# Altium PCB 尺子V2.0.PcbDoc (part 2 of 2)
Units mil, origin at the board's own origin, x right, y up, seen from the top; angles counter-clockwise.
Board outline 7465.82 x 1585.27 mil, 2 copper layers (Top Layer, Bottom Layer); 22 components, 0 nets, 317 pads, 1 vias.
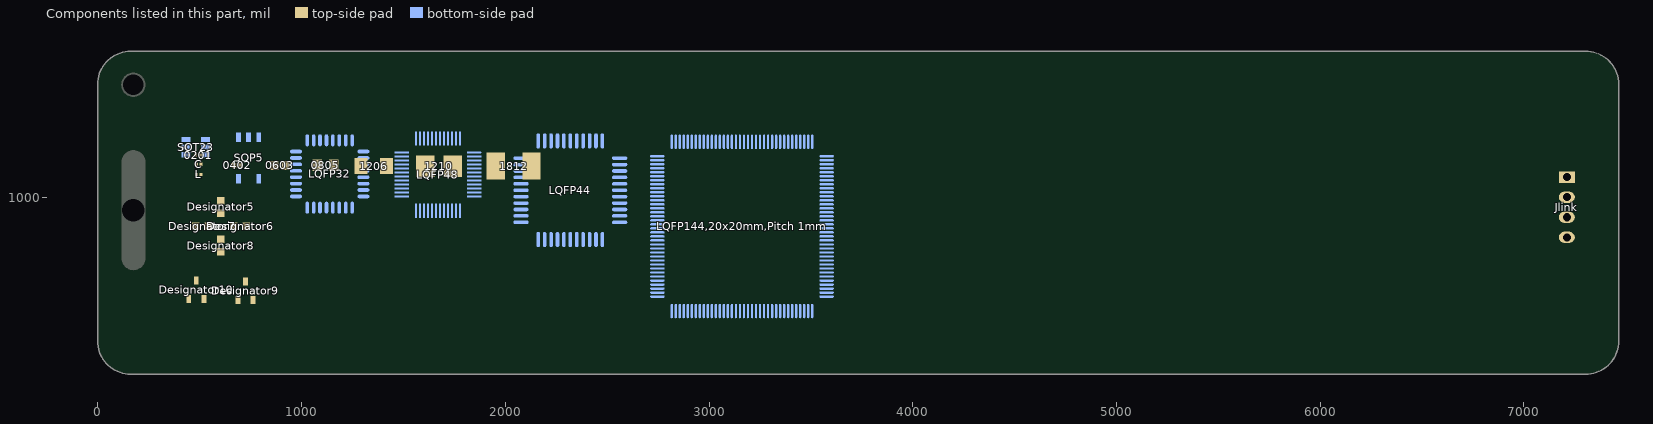
[diagram p2: the components of this part, seen from the top]

## Via types
v1: diameter 60, hole 30, Top Layer to Bottom Layer, 1 vias

## Nets (pads, with @x,y where several pads share a name; then routed paths per layer and width w, separated by ;. In a path a pad name is that pad's centre, name@x,y a point inside that pad or via, vN(x,y) a via of type N, cw(c..) or ccw(c..) an arc to the next point about the centre after c; other vN are vias at no path point) (continued)
copper on no net: | length 197186.6
  Top Layer w7.87: 3482.16,1244.03 3482.16,1327.38 ; 3483.86,1245.5 3483.86,1328.85 ; 3484.12,795.21 3484.12,878.56 ; 3484.13,795.21 3484.13,878.56 ; 3413.04,1125.62 3482.24,1056.42 ; 3413.04,1125.62 3413.04,1129.91 3413.05,1125.62 ; 3413.05,1125.62 3482.25,1056.42 ; 3413.04,1173.07 3483.55,1243.58 3413.05,1173.07 ; 3413.04,1173.07 3413.04,1168.82 3413.05,1173.07 ; 3415,676.8 3484.2,607.6 ; 3415,676.8 3415,681.09 3415.01,676.8 ; 3415.01,676.8 3484.21,607.6 ; 3415,724.25 3485.51,794.76 3415.01,724.25 ; 3415,724.25 3415,720 3415.01,724.25 ; 3482.24,1056.42 3482.24,973.05 3482.25,1056.42 ; 3484.2,607.6 3484.2,524.23 3484.21,607.6 ; 2646.7,990.41 2666.39,1010.09 2646.7,990.41 ; 2654.59,738.44 2674.27,758.12 2654.58,738.44 ; 2678.2,986.47 2697.88,1006.15 2678.19,986.47 ; 2686.09,734.5 2705.77,754.18 2686.08,734.5 ; 3275.24,1148.82 3413.04,1148.82 3275.25,1148.82 ; 3277.2,700 3415,700 3277.21,700
  Top Layer w10: 481.83,860.63 495.13,847.32 ; 539.15,860.63 668.52,860.63 ; 603.83,735.31 617.14,748.62 ; 603.83,795.94 603.83,925.31 ; 729.15,860.63 738.83,850.94 ; 2497.12,706.93 2556.18,706.93 2497.13,706.93 ; 2627.02,1238.44 2674.27,1238.44 ; 2627.03,1238.44 2674.27,1238.44 ; 2699.97,1238.44 2674.27,1238.44 ; 2699.98,1238.44 2674.27,1238.44 ; 3052.22,1273.87 3052.22,1195.13 3036.46,1195.13 ; 3052.23,1273.87 3052.23,1195.13 3036.46,1195.13 ; 3121.22,962.85 3095.52,962.85 3048.28,962.85 3095.53,962.85 3121.23,962.85 ; 4726.72,655.04 5441.85,527.33 ; 4762.91,790.44 5446.22,543.55 ; 4824.09,922.39 5453.41,559.01 ; 4909.09,1043.54 5463.11,572.91 ; 4955.18,1093.74 5468.98,579.33 ; 5014.23,1147.51 5475.25,585.09 ; 5128.38,1226.64 5489.28,594.94 ; 5253.85,1285.43 5504.89,602.21 ; 5396.09,1324.03 5521.56,607.09 ; 5538.87,1336.77 v1@5539.32,509.45 ; 5555.44,606.58 5680.38,1324.88 ; 5571.84,602.18 5824.54,1286.51 ; 5587.31,594.97 5950.76,1227.9 ; 5601.15,585.29 6073.26,1142.38 ; 5607.6,579.39 6128.08,1091.81 ; 5613.08,573.44 6178.91,1035.54 ; 5623.04,559.34 6256.59,923.53 ; 5630.06,544.53 6316.34,796.15 ; 5634.89,526.72 6356.58,643.59 ; 2674.26,962.85 2627.02,962.85 2674.26,962.85 ; 2674.26,962.85 2701.82,962.85 2674.26,962.85 ; 2674.3,706.93 2627.05,706.93 2674.29,706.93 ; 2674.3,706.93 2701.86,706.93 2674.29,706.93 ; 3036.46,1195.13 3036.46,1210.88 3036.46,1195.13 ; 3052.22,923.48 3052.22,1002.22 ; 3052.22,923.48 3038.44,923.49 3052.22,923.48 ; 3052.22,923.48 3052.22,1002.22 ; 3052.22,1002.22 3069.93,1002.23 3052.22,1002.22 ; 3095.53,1234.5 3048.29,1234.5 3095.53,1234.5 ; 3095.53,1234.5 3121.24,1234.5 3095.53,1234.5 ; 3550.84,1150.21 ccw(c3452.41,1150.21) 3550.84,1150.21 ; 3550.85,1150.21 ccw(c3452.42,1150.21) 3550.85,1150.21 ; 3552.8,701.39 ccw(c3454.37,701.39) 3552.8,701.39 ; 3552.81,701.39 ccw(c3454.38,701.39) 3552.81,701.39 ; 2497.1,962.85 2556.15,962.85 2497.09,962.85 ; 2497.11,1238.44 2556.16,1238.44 2497.1,1238.44 ; 2630.96,923.48 2630.96,1002.22 2630.95,923.48 ; 2630.97,1199.07 2630.97,1277.81 2630.96,1199.07 ; 2630.99,667.56 2630.99,746.3 2630.98,667.56 ; 2916.4,706.61 2975.46,706.61 2916.4,706.61 ; 2918.36,962.85 2977.42,962.85 2918.36,962.85 ; 2918.36,1234.5 2977.42,1234.5 2918.36,1234.5 ; 3050.26,667.24 3050.26,745.98 3050.26,667.24 ; 3067.97,665.28 3067.97,745.99 3067.97,665.28 ; 3067.97,706.94 3132.93,706.94 3067.97,706.94 ; 3413.04,1091.16 3413.04,1209.27 3413.05,1091.16 ; 3415,642.34 3415,760.45 3415.01,642.34
  Top Layer w11.81: 118.31,139.31 118.31,414.31 ; 138.31,139.31 138.31,339.31 ; 158.31,139.31 158.31,319.31 158.31,339.31 ; 178.31,139.31 178.31,339.31 ; 198.31,139.31 198.31,339.31 ; 218.31,139.31 218.31,374.31 ; 238.31,139.31 238.31,339.31 ; 258.31,139.31 258.31,339.31 ; 278.31,139.31 278.31,339.31 ; 298.31,139.31 298.31,339.31 ; 318.31,139.31 318.31,374.31 ; 338.31,139.31 338.31,339.31 ; 358.31,139.31 358.31,319.31 358.31,339.31 ; 378.31,139.31 378.31,339.31 ; 398.31,139.31 398.31,339.31 ; 418.31,139.31 418.31,374.31 ; 438.31,139.31 438.31,339.31 ; 458.31,139.31 458.31,339.31 ; 478.31,139.31 478.31,339.31 ; 498.31,139.31 498.31,339.31 ; 518.31,139.31 518.31,374.31 ; 538.31,139.31 538.31,339.31 ; 558.31,139.31 558.31,319.31 558.31,339.31 ; 578.31,139.31 578.31,339.31 ; 598.31,139.31 598.31,339.31 ; 618.31,139.31 618.31,414.31 ; 638.31,139.31 638.31,339.31 ; 658.31,139.31 658.31,339.31 ; 678.31,139.31 678.31,339.31 ; 698.31,139.31 698.31,339.31 ; 718.31,139.31 718.31,374.31 ; 738.31,139.31 738.31,339.31 ; 758.31,139.31 758.31,319.31 758.31,339.31 ; 778.31,139.31 778.31,339.31 ; 798.31,139.31 798.31,339.31 ; 818.31,139.31 818.31,374.31 ; 838.31,139.31 838.31,339.31 ; 858.31,139.31 858.31,339.31 ; 878.31,139.31 878.31,339.31 ; 898.31,139.31 898.31,339.31 ; 918.31,139.31 918.31,374.31 ; 938.31,139.31 938.31,339.31 ; 958.31,139.31 958.31,319.31 958.31,339.31 ; 978.31,139.31 978.31,339.31 ; 998.31,139.31 998.31,339.31 ; 1018.31,139.31 1018.31,374.31 ; 1038.31,139.31 1038.31,339.31 ; 1058.31,139.31 1058.31,339.31 ; 1078.31,139.31 1078.31,339.31 ; 1098.31,139.31 1098.31,339.31 ; 1118.31,139.31 1118.31,414.31 ; 1138.31,139.31 1138.31,339.31 ; 1158.31,139.31 1158.31,319.31 1158.31,339.31 ; 1178.31,139.31 1178.31,339.31 ; 1198.31,139.31 1198.31,339.31 ; 1218.31,139.31 1218.31,374.31 ; 1238.31,139.31 1238.31,339.31 ; 1258.31,139.31 1258.31,339.31 ; 1278.31,139.31 1278.31,339.31 ; 1298.31,139.31 1298.31,339.31 ; 1318.31,139.31 1318.31,374.31 ; 1338.31,139.31 1338.31,339.31 ; 1358.31,139.31 1358.31,319.31 1358.31,339.31 ; 1378.31,139.31 1378.31,339.31 ; 1398.31,139.31 1398.31,339.31 ; 1418.31,139.31 1418.31,374.31 ; 1438.31,139.31 1438.31,339.31 ; 1458.31,139.31 1458.31,339.31 ; 1478.31,139.31 1478.31,339.31 ; 1498.31,139.31 1498.31,339.31 ; 1518.31,139.31 1518.31,374.31 ; 1538.31,139.31 1538.31,339.31 ; 1558.31,139.31 1558.31,319.31 1558.31,339.31 ; 1578.31,139.31 1578.31,339.31 ; 1598.31,139.31 1598.31,339.31 ; 1618.31,139.31 1618.31,414.31 ; 1638.31,139.31 1638.31,339.31 ; 1658.31,139.31 1658.31,339.31 ; 1678.31,139.31 1678.31,339.31 ; 1698.31,139.31 1698.31,339.31 ; 1718.31,139.31 1718.31,374.31 ; 1738.31,139.31 1738.31,339.31 ; 1758.31,139.31 1758.31,319.31 1758.31,339.31 ; 1778.31,139.31 1778.31,339.31 ; 1798.31,139.31 1798.31,339.31 ; 1818.31,139.31 1818.31,374.31 ; 1838.31,139.31 1838.31,339.31 ; 1858.31,139.31 1858.31,339.31 ; 1878.31,139.31 1878.31,339.31 ; 1898.31,139.31 1898.31,339.31 ; 1918.31,139.31 1918.31,374.31 ; 1938.31,139.31 1938.31,339.31 ; 1958.31,139.31 1958.31,319.31 1958.31,339.31 ; 1978.31,139.31 1978.31,339.31 ; 1998.31,139.31 1998.31,339.31 ; 2018.31,139.31 2018.31,374.31 ; 2038.31,139.31 2038.31,339.31 ; 2058.31,139.31 2058.31,339.31 ; 2078.31,139.31 2078.31,339.31 ; 2098.31,139.31 2098.31,339.31 ; 2118.31,139.31 2118.31,414.31 ; 2138.31,139.31 2138.31,339.31 ; 2158.31,139.31 2158.31,319.31 2158.31,339.31 ; 2178.31,139.31 2178.31,339.31 ; 2198.31,139.31 2198.31,339.31 ; 2218.31,139.31 2218.31,374.31 ; 2238.31,139.31 2238.31,339.31 ; 2258.31,139.31 2258.31,339.31 ; 2278.31,139.31 2278.31,339.31 ; 2298.31,139.31 2298.31,339.31 ; 2318.31,139.31 2318.31,374.31 ; 2338.31,139.31 2338.31,339.31 ; 2358.31,139.31 2358.31,319.31 2358.31,339.31 ; 2378.31,139.31 2378.31,339.31 ; 2398.31,139.31 2398.31,339.31 ; 2418.31,139.31 2418.31,374.31 ; 2438.31,139.31 2438.31,339.31 ; 2458.31,139.31 2458.31,339.31 ; 2478.31,139.31 2478.31,339.31 ; 2498.31,139.31 2498.31,339.31 ; 2518.31,139.31 2518.31,374.31 ; 2538.31,139.31 2538.31,339.31 ; 2558.31,139.31 2558.31,319.31 2558.31,339.31 ; 2578.31,139.31 2578.31,339.31 ; 2598.31,139.31 2598.31,339.31 ; 2618.31,139.31 2618.31,414.31 ; 2638.31,139.31 2638.31,339.31 ; 2658.31,139.31 2658.31,339.31 ; 2678.31,139.31 2678.31,339.31 ; 2698.31,139.31 2698.31,339.31 ; 2718.31,139.31 2718.31,374.31 ; 2738.31,139.31 2738.31,339.31 ; 2758.31,139.31 2758.31,319.31 2758.31,339.31 ; 2778.31,139.31 2778.31,339.31 ; 2798.31,139.31 2798.31,339.31 ; 2818.31,139.31 2818.31,374.31 ; 2838.31,139.31 2838.31,339.31 ; 2858.31,139.31 2858.31,339.31 ; 2878.31,139.31 2878.31,339.31 ; 2898.31,139.31 2898.31,339.31 ; 2918.31,139.31 2918.31,374.31 ; 2938.31,139.31 2938.31,339.31 ; 2958.31,139.31 2958.31,319.31 2958.31,339.31 ; 2978.31,139.31 2978.31,339.31 ; 2998.31,139.31 2998.31,339.31 ; 3018.31,139.31 3018.31,374.31 ; 3038.31,139.31 3038.31,339.31 ; 3058.31,139.31 3058.31,339.31 ; 3078.31,139.31 3078.31,339.31 ; 3098.31,139.31 3098.31,339.31 ; 3118.31,139.31 3118.31,414.31 ; 3138.31,139.31 3138.31,339.31 ; 3158.31,139.31 3158.31,319.31 3158.31,339.31 ; 3178.31,139.31 3178.31,339.31 ; 3198.31,139.31 3198.31,339.31 ; 3218.31,139.31 3218.31,374.31 ; 3238.31,139.31 3238.31,339.31 ; 3258.31,139.31 3258.31,339.31 ; 3278.31,139.31 3278.31,339.31 ; 3298.31,139.31 3298.31,339.31 ; 3318.31,139.31 3318.31,374.31 ; 3338.31,139.31 3338.31,339.31 ; 3358.31,139.31 3358.31,319.31 3358.31,339.31 ; 3378.31,139.31 3378.31,339.31 ; 3398.31,139.31 3398.31,339.31 ; 3418.31,139.31 3418.31,374.31 ; 3438.31,139.31 3438.31,339.31 ; 3458.31,139.31 3458.31,339.31 ; 3478.31,139.31 3478.31,339.31 ; 3498.31,139.31 3498.31,339.31 ; 3518.31,139.31 3518.31,374.31 ; 3538.31,139.31 3538.31,339.31 ; 3558.31,139.31 3558.31,319.31 3558.31,339.31 ; 3578.31,139.31 3578.31,339.31 ; 3598.31,139.31 3598.31,339.31 ; 3618.31,139.31 3618.31,414.31 ; 3638.31,139.31 3638.31,339.31 ; 3658.31,139.31 3658.31,339.31 ; 3678.31,139.31 3678.31,339.31 ; 3698.31,139.31 3698.31,339.31 ; 3718.31,139.31 3718.31,374.31 ; 3738.31,139.31 3738.31,339.31 ; 3758.31,139.31 3758.31,319.31 3758.31,339.31 ; 3778.31,139.31 3778.31,339.31 ; 3798.31,139.31 3798.31,339.31 ; 3818.31,139.31 3818.31,374.31 ; 3838.31,139.31 3838.31,339.31 ; 3858.31,139.31 3858.31,339.31 ; 3878.31,139.31 3878.31,339.31 ; 3898.31,139.31 3898.31,339.31 ; 3918.31,139.31 3918.31,374.31 ; 3938.31,139.31 3938.31,339.31 ; 3958.31,139.31 3958.31,319.31 3958.31,339.31 ; 3978.31,139.31 3978.31,339.31 ; 3998.31,139.31 3998.31,339.31 ; 4018.31,139.31 4018.31,374.31 ; 4038.31,139.31 4038.31,339.31 ; 4058.31,139.31 4058.31,339.31 ; 4078.31,139.31 4078.31,339.31 ; 4098.31,139.31 4098.31,339.31 ; 4118.31,139.31 4118.31,414.31 ; 4138.31,139.31 4138.31,339.31 ; 4158.31,139.31 4158.31,319.31 4158.31,339.31 ; 4178.31,139.31 4178.31,339.31 ; 4198.31,139.31 4198.31,339.31 ; 4218.31,139.31 4218.31,374.31 ; 4238.31,139.31 4238.31,339.31 ; 4258.31,139.31 4258.31,339.31 ; 4278.31,139.31 4278.31,339.31 ; 4298.31,139.31 4298.31,339.31 ; 4318.31,139.31 4318.31,374.31 ; 4338.31,139.31 4338.31,339.31 ; 4358.31,139.31 4358.31,319.31 4358.31,339.31 ; 4378.31,139.31 4378.31,339.31 ; 4398.31,139.31 4398.31,339.31 ; 4418.31,139.31 4418.31,374.31 ; 4438.31,139.31 4438.31,339.31 ; 4458.31,139.31 4458.31,339.31 ; 4478.31,139.31 4478.31,339.31 ; 4498.31,139.31 4498.31,339.31 ; 4518.31,139.31 4518.31,374.31 ; 4538.31,139.31 4538.31,339.31 ; 4558.31,139.31 4558.31,319.31 4558.31,339.31 ; 4578.31,139.31 4578.31,339.31 ; 4598.31,139.31 4598.31,339.31 ; 4618.31,139.31 4618.31,414.31 ; 4638.31,139.31 4638.31,339.31 ; 4658.31,139.31 4658.31,319.31 4658.31,339.31 ; 4678.31,139.31 4678.31,339.31 ; 4698.31,139.31 4698.31,339.31 ; 4718.31,139.31 4718.31,374.31 ; 4738.31,139.31 4738.31,339.31 ; 4758.31,139.31 4758.31,339.31 ; 4778.31,139.31 4778.31,339.31 ; 4798.31,139.31 4798.31,339.31 ; 4818.31,139.31 4818.31,374.31 ; 4838.31,139.31 4838.31,339.31 ; 4858.31,139.31 4858.31,319.31 4858.31,339.31 ; 4878.31,139.31 4878.31,339.31 ; 4898.31,139.31 4898.31,339.31 ; 4918.31,139.31 4918.31,374.31 ; 4938.31,139.31 4938.31,339.31 ; 4958.31,139.31 4958.31,339.31 ; 4978.31,139.31 4978.31,339.31 ; 4998.31,139.31 4998.31,339.31 ; 5018.31,139.31 5018.31,374.31 ; 5038.31,139.31 5038.31,339.31 ; 5058.31,139.31 5058.31,319.31 5058.31,339.31 ; 5078.31,139.31 5078.31,339.31 ; 5098.31,139.31 5098.31,339.31 ; 5118.31,139.31 5118.31,414.31 ; 5138.31,139.31 5138.31,339.31 ; 5158.31,139.31 5158.31,339.31 ; 5178.31,139.31 5178.31,339.31 ; 5198.31,139.31 5198.31,339.31 ; 5218.31,139.31 5218.31,374.31 ; 5238.31,139.31 5238.31,339.31 ; 5258.31,139.31 5258.31,319.31 5258.31,339.31 ; 5278.31,139.31 5278.31,339.31 ; 5298.31,139.31 5298.31,339.31 ; 5318.31,139.31 5318.31,374.31 ; 5338.31,139.31 5338.31,339.31 ; 5358.31,139.31 5358.31,339.31 ; 5378.31,139.31 5378.31,339.31 ; 5398.31,139.31 5398.31,339.31 ; 5418.31,139.31 5418.31,374.31 ; 5438.31,139.31 5438.31,339.31 ; 5440.33,510.1 cw(c5538.32,510.1) 5636.31,510.1 ; 5458.31,139.31 5458.31,319.31 5458.31,339.31 ; 5478.31,139.31 5478.31,339.31 ; 5498.31,139.31 5498.31,339.31 ; 5518.31,139.31 5518.31,374.31 ; 5538.31,139.31 5538.31,339.31 ; 5558.31,139.31 5558.31,339.31 ; 5578.31,139.31 5578.31,339.31 ; 5598.31,139.31 5598.31,339.31 ; 5618.31,139.31 5618.31,414.31 ; 5638.31,139.31 5638.31,339.31 ; 5658.31,139.31 5658.31,319.31 5658.31,339.31 ; 5678.31,139.31 5678.31,339.31 ; 5698.31,139.31 5698.31,339.31 ; 5718.31,139.31 5718.31,374.31 ; 5738.31,139.31 5738.31,339.31 ; 5758.31,139.31 5758.31,339.31 ; 5778.31,139.31 5778.31,339.31 ; 5798.31,139.31 5798.31,339.31 ; 5818.31,139.31 5818.31,374.31 ; 5838.31,139.31 5838.31,339.31 ; 5858.31,139.31 5858.31,319.31 5858.31,339.31 ; 5878.31,139.31 5878.31,339.31 ; 5898.31,139.31 5898.31,339.31 ; 5918.31,139.31 5918.31,374.31 ; 5938.31,139.31 5938.31,339.31 ; 5958.31,139.31 5958.31,339.31 ; 5978.31,139.31 5978.31,339.31 ; 5998.31,139.31 5998.31,339.31 ; 6018.31,139.31 6018.31,374.31 ; 6038.31,139.31 6038.31,339.31 ; 6058.31,139.31 6058.31,319.31 6058.31,339.31 ; 6078.31,139.31 6078.31,339.31 ; 6098.31,139.31 6098.31,339.31 ; 6118.31,139.31 6118.31,414.31 ; 6138.31,139.31 6138.31,339.31 ; 6158.31,139.31 6158.31,319.31 6158.31,339.31 ; 6178.31,139.31 6178.31,339.31 ; 6198.31,139.31 6198.31,339.31 ; 6218.31,139.31 6218.31,374.31 ; 6238.31,139.31 6238.31,339.31 ; 6258.31,139.31 6258.31,339.31 ; 6278.31,139.31 6278.31,339.31 ; 6298.31,139.31 6298.31,339.31 ; 6318.31,139.31 6318.31,374.31 ; 6338.31,139.31 6338.31,339.31 ; 6358.31,139.31 6358.31,319.31 6358.31,339.31 ; 6378.31,139.31 6378.31,339.31 ; 6398.31,139.31 6398.31,339.31 ; 6418.31,139.31 6418.31,374.31 ; 6438.31,139.31 6438.31,339.31 ; 6458.31,139.31 6458.31,339.31 ; 6478.31,139.31 6478.31,339.31 ; 6498.31,139.31 6498.31,339.31 ; 6518.31,139.31 6518.31,374.31 ; 6538.31,139.31 6538.31,339.31 ; 6558.31,139.31 6558.31,319.31 6558.31,339.31 ; 6578.31,139.31 6578.31,339.31 ; 6598.31,139.31 6598.31,339.31 ; 6618.31,139.31 6618.31,414.31 ; 6638.31,139.31 6638.31,339.31 ; 6658.31,139.31 6658.31,339.31 ; 6678.31,139.31 6678.31,339.31 ; 6698.31,139.31 6698.31,339.31 ; 6718.31,139.31 6718.31,374.31 ; 6738.31,139.31 6738.31,339.31 ; 6758.31,139.31 6758.31,319.31 6758.31,339.31 ; 6778.31,139.31 6778.31,339.31 ; 6798.31,139.31 6798.31,339.31 ; 6818.31,139.31 6818.31,374.31 ; 6838.31,139.31 6838.31,339.31 ; 6858.31,139.31 6858.31,339.31 ; 6878.31,139.31 6878.31,339.31 ; 6898.31,139.31 6898.31,339.31 ; 6918.31,139.31 6918.31,374.31 ; 6938.31,139.31 6938.31,339.31 ; 6958.31,139.31 6958.31,319.31 6958.31,339.31 ; 6978.31,139.31 6978.31,339.31 ; 6998.31,139.31 6998.31,339.31 ; 7018.31,139.31 7018.31,374.31 ; 7038.31,139.31 7038.31,339.31 ; 7058.31,139.31 7058.31,339.31 ; 7078.31,139.31 7078.31,339.31 ; 7098.31,139.31 7098.31,339.31 ; 7118.31,139.31 7118.31,414.31 ; 7138.31,139.31 7138.31,339.31 ; 7158.31,139.31 7158.31,319.31 7158.31,339.31 ; 7178.31,139.31 7178.31,339.31 ; 7198.31,139.31 7198.31,339.31 ; 7218.31,139.31 7218.31,374.31 ; 7238.31,139.31 7238.31,339.31 ; 7258.31,139.31 7258.31,339.31 ; 7278.31,139.31 7278.31,339.31 ; 7298.31,139.31 7298.31,339.31 ; 7318.31,139.31 7318.31,374.31 ; 4713.9,510 cw(c5540.67,510) 6367.44,510 4713.9,510
  Top Layer w13.78: 178.31,1437.99 178.31,1713.58 ; 217.68,1516.73 217.68,1713.58 ; 257.05,1516.73 257.05,1713.58 ; 296.42,1516.73 296.42,1713.58 ; 335.79,1516.73 335.79,1713.58 ; 375.16,1477.36 375.16,1713.58 ; 414.53,1516.73 414.53,1713.58 ; 453.9,1516.73 453.9,1713.58 ; 493.27,1516.73 493.27,1713.58 ; 532.64,1516.73 532.64,1713.58 ; 572.01,1437.99 572.01,1713.58 ; 611.38,1516.73 611.38,1713.58 ; 650.75,1516.73 650.75,1713.58 ; 690.12,1516.73 690.12,1713.58 ; 729.49,1516.73 729.49,1713.58 ; 768.86,1477.36 768.86,1713.58 ; 808.23,1516.73 808.23,1713.58 ; 847.6,1516.73 847.6,1713.58 ; 886.97,1516.73 886.97,1713.58 ; 926.34,1516.73 926.34,1713.58 ; 965.71,1437.99 965.71,1713.58 ; 1005.08,1516.73 1005.08,1713.58 ; 1044.45,1516.73 1044.45,1713.58 ; 1083.82,1516.73 1083.82,1713.58 ; 1123.19,1516.73 1123.19,1713.58 ; 1162.56,1477.36 1162.56,1713.58 ; 1201.93,1516.73 1201.93,1713.58 ; 1241.3,1516.73 1241.3,1713.58 ; 1280.67,1516.73 1280.67,1713.58 ; 1320.04,1516.73 1320.04,1713.58 ; 1359.41,1437.99 1359.41,1713.58 ; 1398.78,1516.73 1398.78,1713.58 ; 1438.15,1516.73 1438.15,1713.58 ; 1477.52,1516.73 1477.52,1713.58 ; 1516.89,1516.73 1516.89,1713.58 ; 1556.26,1477.36 1556.26,1713.58 ; 1595.63,1516.73 1595.63,1713.58 ; 1635,1516.73 1635,1713.58 ; 1674.37,1516.73 1674.37,1713.58 ; 1713.74,1516.73 1713.74,1713.58 ; 1753.11,1437.99 1753.11,1713.58 ; 1792.48,1516.73 1792.48,1713.58 ; 1831.85,1516.73 1831.85,1713.58 ; 1871.22,1516.73 1871.22,1713.58 ; 1910.59,1516.73 1910.59,1713.58 ; 1949.96,1477.36 1949.96,1713.58 ; 1989.33,1516.73 1989.33,1713.58 ; 2028.7,1516.73 2028.7,1713.58 ; 2068.07,1516.73 2068.07,1713.58 ; 2107.44,1516.73 2107.44,1713.58 ; 2146.81,1437.99 2146.81,1713.58 ; 2186.18,1516.73 2186.18,1713.58 ; 2225.55,1516.73 2225.55,1713.58 ; 2264.92,1516.73 2264.92,1713.58 ; 2304.29,1516.73 2304.29,1713.58 ; 2343.66,1477.36 2343.66,1713.58 ; 2383.03,1516.73 2383.03,1713.58 ; 2422.4,1516.73 2422.4,1713.58 ; 2461.77,1516.73 2461.77,1713.58 ; 2501.14,1516.73 2501.14,1713.58 ; 2540.51,1437.99 2540.51,1713.58 ; 2579.88,1516.73 2579.88,1713.58 ; 2619.25,1516.73 2619.25,1713.58 ; 2658.62,1516.73 2658.62,1713.58 ; 2697.99,1516.73 2697.99,1713.58 ; 2737.36,1477.36 2737.36,1713.58 ; 2776.73,1516.73 2776.73,1713.58 ; 2816.1,1516.73 2816.1,1713.58 ; 2855.47,1516.73 2855.47,1713.58 ; 2894.84,1516.73 2894.84,1713.58 ; 2934.21,1437.99 2934.21,1713.58 ; 2973.58,1516.73 2973.58,1713.58 ; 3012.95,1516.73 3012.95,1713.58 ; 3052.32,1516.73 3052.32,1713.58 ; 3091.69,1516.73 3091.69,1713.58 ; 3131.06,1477.36 3131.06,1713.58 ; 3170.43,1516.73 3170.43,1713.58 ; 3209.8,1516.73 3209.8,1713.58 ; 3249.17,1516.73 3249.17,1713.58 ; 3288.54,1516.73 3288.54,1713.58 ; 3327.91,1437.99 3327.91,1713.58 ; 3367.28,1516.73 3367.28,1713.58 ; 3406.65,1516.73 3406.65,1713.58 ; 3446.02,1516.73 3446.02,1713.58 ; 3485.39,1516.73 3485.39,1713.58 ; 3524.76,1477.36 3524.76,1713.58 ; 3564.13,1516.73 3564.13,1713.58 ; 3603.5,1516.73 3603.5,1713.58 ; 3642.87,1516.73 3642.87,1713.58 ; 3682.24,1516.73 3682.24,1713.58 ; 3721.61,1437.99 3721.61,1713.58 ; 3760.98,1516.73 3760.98,1713.58 ; 3800.36,1516.73 3800.36,1713.58 ; 3839.72,1516.73 3839.72,1713.58 ; 3879.09,1516.73 3879.09,1713.58 ; 3918.47,1477.36 3918.47,1713.58 ; 3957.84,1516.73 3957.84,1713.58 ; 3997.2,1516.73 3997.2,1713.58 ; 4036.57,1516.73 4036.57,1713.58 ; 4075.95,1516.73 4075.95,1713.58 ; 4115.31,1437.99 4115.31,1713.58 ; 4154.69,1516.73 4154.69,1713.58 ; 4194.06,1516.73 4194.06,1713.58 ; 4233.43,1516.73 4233.43,1713.58 ; 4272.8,1516.73 4272.8,1713.58 ; 4312.17,1477.36 4312.17,1713.58 ; 4351.54,1516.73 4351.54,1713.58 ; 4390.91,1516.73 4390.91,1713.58 ; 4430.28,1516.73 4430.28,1713.58 ; 4469.65,1516.73 4469.65,1713.58 ; 4509.02,1437.99 4509.02,1713.58 ; 4548.39,1516.73 4548.39,1713.58 ; 4587.76,1516.73 4587.76,1713.58 ; 4627.13,1516.73 4627.13,1713.58 ; 4666.5,1516.73 4666.5,1713.58 ; 4705.87,1477.36 4705.87,1713.58 ; 4745.24,1516.73 4745.24,1713.58 ; 4784.61,1516.73 4784.61,1713.58 ; 4823.98,1516.73 4823.98,1713.58 ; 4863.35,1516.73 4863.35,1713.58 ; 4902.72,1437.99 4902.72,1713.58 ; 4942.09,1516.73 4942.09,1713.58 ; 4981.46,1516.73 4981.46,1713.58 ; 5020.83,1516.73 5020.83,1713.58 ; 5060.2,1516.73 5060.2,1713.58 ; 5099.57,1477.36 5099.57,1713.58 ; 5138.94,1516.73 5138.94,1713.58 ; 5178.31,1516.73 5178.31,1713.58 ; 5217.68,1516.73 5217.68,1713.58 ; 5257.05,1516.73 5257.05,1713.58 ; 5296.42,1437.99 5296.42,1713.58 ; 5335.79,1516.73 5335.79,1713.58 ; 5375.16,1516.73 5375.16,1713.58 ; 5414.53,1516.73 5414.53,1713.58 ; 5453.9,1516.73 5453.9,1713.58 ; 5493.27,1477.36 5493.27,1713.58 ; 5532.64,1516.73 5532.64,1713.58 ; 5572.01,1516.73 5572.01,1713.58 ; 5611.38,1516.73 5611.38,1713.58 ; 5650.75,1516.73 5650.75,1713.58 ; 5690.12,1437.99 5690.12,1713.58 ; 5729.49,1516.73 5729.49,1713.58 ; 5768.86,1516.73 5768.86,1713.58 ; 5808.23,1516.73 5808.23,1713.58 ; 5847.6,1516.73 5847.6,1713.58 ; 5886.97,1477.36 5886.97,1713.58 ; 5926.34,1516.73 5926.34,1713.58 ; 5965.71,1516.73 5965.71,1713.58 ; 6005.08,1516.73 6005.08,1713.58 ; 6044.45,1516.73 6044.45,1713.58 ; 6083.82,1437.99 6083.82,1713.58 ; 6123.19,1516.73 6123.19,1713.58 ; 6162.56,1516.73 6162.56,1713.58 ; 6201.93,1516.73 6201.93,1713.58 ; 6241.3,1516.73 6241.3,1713.58 ; 6280.67,1477.36 6280.67,1713.58 ; 6320.04,1516.73 6320.04,1713.58 ; 6359.41,1516.73 6359.41,1713.58 ; 6398.78,1516.73 6398.78,1713.58 ; 6438.15,1516.73 6438.15,1713.58 ; 6477.52,1437.99 6477.52,1713.58 ; 6518.66,1513.15 6518.66,1710 ; 6556.26,1516.73 6556.26,1713.58 ; 6595.63,1516.73 6595.63,1713.58 ; 6635,1516.73 6635,1713.58 ; 6674.37,1477.36 6674.37,1713.58 ; 6713.74,1516.73 6713.74,1713.58 ; 6753.11,1516.73 6753.11,1713.58 ; 6792.48,1516.73 6792.48,1713.58 ; 6831.85,1516.73 6831.85,1713.58 ; 6871.22,1437.99 6871.22,1713.58 ; 6910.59,1516.73 6910.59,1713.58 ; 6949.96,1516.73 6949.96,1713.58 ; 6989.33,1516.73 6989.33,1713.58 ; 7028.7,1516.73 7028.7,1713.58 ; 7068.07,1477.36 7068.07,1713.58 ; 7107.44,1516.73 7107.44,1713.58 ; 7146.81,1516.73 7146.81,1713.58 ; 7186.18,1516.73 7186.18,1713.58 ; 7225.55,1516.73 7225.55,1713.58 ; 7264.92,1437.99 7264.92,1713.58
  Bottom Layer w10: 4726.51,655.59 5441.65,527.88 ; 4762.7,790.99 5446.01,544.1 ; 4823.88,922.94 5453.2,559.56 ; 4908.88,1044.09 5462.9,573.47 ; 4954.97,1094.29 5468.77,579.89 ; 5014.02,1148.06 5475.04,585.64 ; 5128.17,1227.19 5489.07,595.49 ; 5253.65,1285.98 5504.68,602.76 ; 5395.88,1324.59 5521.05,607.14 ; 5440.12,510.65 cw(c5538.11,510.65) 5636.1,510.65 ; 5538.66,1337.32 v1@5539.32,509.45 ; 5555.23,607.13 5680.17,1325.43 ; 5571.63,602.73 5824.33,1287.06 ; 5587.1,595.52 5950.55,1228.45 ; 5600.94,585.85 6073.05,1142.93 ; 5607.4,579.94 6127.87,1092.36 ; 5612.87,574 6178.7,1036.1 ; 5622.83,559.89 6256.38,924.08 ; 5629.85,545.08 6316.13,796.7 ; 5634.68,527.27 6356.37,644.14
  Bottom Layer w11.81: 4713.69,510.55 cw(c5540.46,510.55) 6367.23,510.55 4713.69,510.55
  Bottom Layer w13.78: 180,1439.09 180,1714.68 ; 219.37,1517.83 219.37,1714.68 ; 258.74,1517.83 258.74,1714.68 ; 298.11,1517.83 298.11,1714.68 ; 337.48,1517.83 337.48,1714.68 ; 376.85,1478.46 376.85,1714.68 ; 416.22,1517.83 416.22,1714.68 ; 455.59,1517.83 455.59,1714.68 ; 494.96,1517.83 494.96,1714.68 ; 534.33,1517.83 534.33,1714.68 ; 573.7,1439.09 573.7,1714.68 ; 613.07,1517.83 613.07,1714.68 ; 652.44,1517.83 652.44,1714.68 ; 691.81,1517.83 691.81,1714.68 ; 731.18,1517.83 731.18,1714.68 ; 770.55,1478.46 770.55,1714.68 ; 809.92,1517.83 809.92,1714.68 ; 849.29,1517.83 849.29,1714.68 ; 888.66,1517.83 888.66,1714.68 ; 928.03,1517.83 928.03,1714.68 ; 967.4,1439.09 967.4,1714.68 ; 1006.77,1517.83 1006.77,1714.68 ; 1046.14,1517.83 1046.14,1714.68 ; 1085.51,1517.83 1085.51,1714.68 ; 1124.88,1517.83 1124.88,1714.68 ; 1164.25,1478.46 1164.25,1714.68 ; 1203.62,1517.83 1203.62,1714.68 ; 1242.99,1517.83 1242.99,1714.68 ; 1282.36,1517.83 1282.36,1714.68 ; 1321.73,1517.83 1321.73,1714.68 ; 1361.1,1439.09 1361.1,1714.68 ; 1400.47,1517.83 1400.47,1714.68 ; 1439.84,1517.83 1439.84,1714.68 ; 1479.21,1517.83 1479.21,1714.68 ; 1518.58,1517.83 1518.58,1714.68 ; 1557.95,1478.46 1557.95,1714.68 ; 1597.32,1517.83 1597.32,1714.68 ; 1636.69,1517.83 1636.69,1714.68 ; 1676.06,1517.83 1676.06,1714.68 ; 1715.43,1517.83 1715.43,1714.68 ; 1754.8,1439.09 1754.8,1714.68 ; 1794.17,1517.83 1794.17,1714.68 ; 1833.55,1517.83 1833.55,1714.68 ; 1872.91,1517.83 1872.91,1714.68 ; 1912.29,1517.83 1912.29,1714.68 ; 1951.65,1478.46 1951.65,1714.68 ; 1991.03,1517.83 1991.03,1714.68 ; 2030.39,1517.83 2030.39,1714.68 ; 2069.76,1517.83 2069.76,1714.68 ; 2109.14,1517.83 2109.14,1714.68 ; 2148.51,1439.09 2148.51,1714.68 ; 2187.88,1517.83 2187.88,1714.68 ; 2227.25,1517.83 2227.25,1714.68 ; 2266.62,1517.83 2266.62,1714.68 ; 2305.99,1517.83 2305.99,1714.68 ; 2345.36,1478.46 2345.36,1714.68 ; 2384.73,1517.83 2384.73,1714.68 ; 2424.1,1517.83 2424.1,1714.68 ; 2463.47,1517.83 2463.47,1714.68 ; 2502.84,1517.83 2502.84,1714.68 ; 2542.21,1439.09 2542.21,1714.68 ; 2581.57,1517.83 2581.57,1714.68 ; 2620.95,1517.83 2620.95,1714.68 ; 2660.32,1517.83 2660.32,1714.68 ; 2699.69,1517.83 2699.69,1714.68 ; 2739.06,1478.46 2739.06,1714.68 ; 2778.43,1517.83 2778.43,1714.68 ; 2817.8,1517.83 2817.8,1714.68 ; 2857.17,1517.83 2857.17,1714.68 ; 2896.54,1517.83 2896.54,1714.68 ; 2935.91,1439.09 2935.91,1714.68 ; 2975.28,1517.83 2975.28,1714.68 ; 3014.65,1517.83 3014.65,1714.68 ; 3054.02,1517.83 3054.02,1714.68 ; 3093.39,1517.83 3093.39,1714.68 ; 3132.76,1478.46 3132.76,1714.68 ; 3172.13,1517.83 3172.13,1714.68 ; 3211.5,1517.83 3211.5,1714.68 ; 3250.87,1517.83 3250.87,1714.68 ; 3290.24,1517.83 3290.24,1714.68 ; 3329.61,1439.09 3329.61,1714.68 ; 3368.98,1517.83 3368.98,1714.68 ; 3408.35,1517.83 3408.35,1714.68 ; 3447.72,1517.83 3447.72,1714.68 ; 3487.09,1517.83 3487.09,1714.68 ; 3526.46,1478.46 3526.46,1714.68 ; 3565.83,1517.83 3565.83,1714.68 ; 3605.2,1517.83 3605.2,1714.68 ; 3644.57,1517.83 3644.57,1714.68 ; 3683.94,1517.83 3683.94,1714.68 ; 3723.31,1439.09 3723.31,1714.68 ; 3762.68,1517.83 3762.68,1714.68 ; 3802.05,1517.83 3802.05,1714.68 ; 3841.42,1517.83 3841.42,1714.68 ; 3880.79,1517.83 3880.79,1714.68 ; 3920.16,1478.46 3920.16,1714.68 ; 3959.53,1517.83 3959.53,1714.68 ; 3998.9,1517.83 3998.9,1714.68 ; 4038.27,1517.83 4038.27,1714.68 ; 4077.64,1517.83 4077.64,1714.68 ; 4117.01,1439.09 4117.01,1714.68 ; 4156.38,1517.83 4156.38,1714.68 ; 4195.75,1517.83 4195.75,1714.68 ; 4235.12,1517.83 4235.12,1714.68 ; 4274.49,1517.83 4274.49,1714.68 ; 4313.86,1478.46 4313.86,1714.68 ; 4353.23,1517.83 4353.23,1714.68 ; 4392.6,1517.83 4392.6,1714.68 ; 4431.97,1517.83 4431.97,1714.68 ; 4471.34,1517.83 4471.34,1714.68 ; 4510.71,1439.09 4510.71,1714.68 ; 4550.08,1517.83 4550.08,1714.68 ; 4589.45,1517.83 4589.45,1714.68 ; 4628.82,1517.83 4628.82,1714.68 ; 4668.19,1517.83 4668.19,1714.68 ; 4707.56,1478.46 4707.56,1714.68 ; 4746.93,1517.83 4746.93,1714.68 ; 4786.3,1517.83 4786.3,1714.68 ; 4825.67,1517.83 4825.67,1714.68 ; 4865.04,1517.83 4865.04,1714.68 ; 4904.41,1439.09 4904.41,1714.68 ; 4943.78,1517.83 4943.78,1714.68 ; 4983.15,1517.83 4983.15,1714.68 ; 5022.52,1517.83 5022.52,1714.68 ; 5061.89,1517.83 5061.89,1714.68 ; 5101.26,1478.46 5101.26,1714.68 ; 5140.63,1517.83 5140.63,1714.68 ; 5180,1517.83 5180,1714.68 ; 5219.37,1517.83 5219.37,1714.68 ; 5258.74,1517.83 5258.74,1714.68 ; 5298.11,1439.09 5298.11,1714.68 ; 5337.48,1517.83 5337.48,1714.68 ; 5376.85,1517.83 5376.85,1714.68 ; 5416.22,1517.83 5416.22,1714.68 ; 5455.59,1517.83 5455.59,1714.68 ; 5494.96,1478.46 5494.96,1714.68 ; 5534.33,1517.83 5534.33,1714.68 ; 5573.7,1517.83 5573.7,1714.68 ; 5613.07,1517.83 5613.07,1714.68 ; 5652.44,1517.83 5652.44,1714.68 ; 5691.81,1439.09 5691.81,1714.68 ; 5731.18,1517.83 5731.18,1714.68 ; 5770.55,1517.83 5770.55,1714.68 ; 5809.92,1517.83 5809.92,1714.68 ; 5849.29,1517.83 5849.29,1714.68 ; 5888.66,1478.46 5888.66,1714.68 ; 5928.03,1517.83 5928.03,1714.68 ; 5967.4,1517.83 5967.4,1714.68 ; 6006.77,1517.83 6006.77,1714.68 ; 6046.14,1517.83 6046.14,1714.68 ; 6085.51,1439.09 6085.51,1714.68 ; 6124.88,1517.83 6124.88,1714.68 ; 6164.25,1517.83 6164.25,1714.68 ; 6203.62,1517.83 6203.62,1714.68 ; 6242.99,1517.83 6242.99,1714.68 ; 6282.36,1478.46 6282.36,1714.68 ; 6321.73,1517.83 6321.73,1714.68 ; 6361.1,1517.83 6361.1,1714.68 ; 6400.47,1517.83 6400.47,1714.68 ; 6439.84,1517.83 6439.84,1714.68 ; 6479.21,1439.09 6479.21,1714.68 ; 6520.35,1514.25 6520.35,1711.1 ; 6557.95,1517.83 6557.95,1714.68 ; 6597.32,1517.83 6597.32,1714.68 ; 6636.69,1517.83 6636.69,1714.68 ; 6676.06,1478.46 6676.06,1714.68 ; 6715.44,1517.83 6715.44,1714.68 ; 6754.81,1517.83 6754.81,1714.68 ; 6794.18,1517.83 6794.18,1714.68 ; 6833.55,1517.83 6833.55,1714.68 ; 6872.91,1439.09 6872.91,1714.68 ; 6912.28,1517.83 6912.28,1714.68 ; 6951.65,1517.83 6951.65,1714.68 ; 6991.02,1517.83 6991.02,1714.68 ; 7030.4,1517.83 7030.4,1714.68 ; 7069.77,1478.46 7069.77,1714.68 ; 7109.14,1517.83 7109.14,1714.68 ; 7148.51,1517.83 7148.51,1714.68 ; 7187.88,1517.83 7187.88,1714.68 ; 7227.24,1517.83 7227.24,1714.68 ; 7266.61,1439.09 7266.61,1714.68
  Bottom Layer w14: 4160.94,545 4279.06,545
  Bottom Layer w24: 4160.94,669.17 4279.06,669.17
  Bottom Layer w34: 4160,793.33 4278.11,793.33
  Bottom Layer w44: 4160,917.5 4278.11,917.5
  Bottom Layer w54: 4160,1041.67 4278.11,1041.67
  Bottom Layer w64: 4160,1165.83 4278.11,1165.83
  Bottom Layer w74: 4160,1290 4278.11,1290
  other v1: 5540.07,514.86

## Keep-outs
Top Layer:
  lines w11.81: 4849.93,504.7 cw(c5534.52,507.35) 6219.1,504.02 6138.75,504.02 ccw(c5540.67,510) 4942.6,504.7 4849.93,504.7
Keep-Out Layer:
  pour cut-out: 4849.33,509.56 cw(c5533.92,512.21) 6218.5,508.88 6138.16,508.88 6138.13,508.88 ccw(c5540.07,514.86) 4942,509.56 4941.99,509.56
  lines w10: 7302.52,139.45 ccw(c7302.52,296.93) 7460,296.93 ; 7302.52,139.88 161.69,139.88 cw(c161.69,297.36) 4.21,297.36 4.21,1557.2 cw(c161.69,1557.2) 161.69,1714.68 7302.52,1714.68 cw(c7302.52,1557.2) 7460,1557.2 ; 7460,299.56 7460,1559.41
  lines w11.81: 4849.33,509.56 cw(c5533.92,512.21) 6218.5,508.88 6138.16,508.88 ccw(c5540.07,514.86) 4942,509.56 4849.34,509.56

## Other copper
Top Layer:
  region: 3429.57,1080.92 3457.13,1108.48 3465,1073.05
  region: 3429.57,1080.92 3457.13,1108.48 3465.01,1073.05
  region: 3474.8,644.76 3447.24,617.21 3439.37,652.64
  region: 2666.4,730.56 2646.72,750.25 2642.78,726.63
  region: 2697.89,726.62 2678.21,746.3 2674.28,722.68
  region: 2556.2,746.31 2556.2,667.57 2634.94,706.94
  region: 2975.47,745.99 2975.47,667.25 3054.21,706.62
  region: 2975.46,745.99 2975.46,667.25 3054.2,706.62
  region: 2556.19,746.31 2556.19,667.57 2634.93,706.94
  region: 2697.89,726.62 2678.2,746.3 2674.27,722.68
  region: 2666.39,730.56 2646.71,750.25 2642.77,726.63
  region: 2556.16,1002.23 2556.16,923.49 2634.91,962.86
  region: 2654.57,1017.98 2674.26,998.29 2678.2,1021.91
  region: 2686.07,1014.03 2705.76,994.34 2709.7,1017.97
  region: 2977.43,1002.23 2977.43,923.49 3056.17,962.86
  region: 2977.42,1002.23 2977.42,923.49 3056.16,962.86
  region: 2686.07,1014.03 2705.75,994.34 2709.69,1017.97
  region: 2654.57,1017.98 2674.25,998.29 2678.19,1021.91
  region: 2556.16,1002.23 2556.16,923.49 2634.9,962.86
  region: 2556.17,1277.82 2556.17,1199.08 2634.91,1238.44
  region: 2977.43,1273.88 2977.43,1195.14 3056.17,1234.51
  region: 2977.43,1273.88 2977.43,1195.14 3056.17,1234.51
  region: 2556.17,1277.82 2556.17,1199.08 2634.91,1238.44
  text "3" at 1381.48,1432.59 h98.42 r358
  text "14" at 5718.97,1432.01 h98.42
  text "8" at 3356.18,1431.15 h98.42 r1
  text "9" at 3746.87,1431.15 h98.42 r1
  text "12" at 4927.97,1430.92 h98.42
  text "13" at 5320.42,1430.92 h98.42 r359
  text "16" at 6499.27,1430.93 h98.42 r359
  text "1" at 600.6,1430.09 h98.42
  text "4" at 1775,1429.61 h98.42 r358
  text "15" at 6110.7,1429.76 h98.42
  text "10" at 4142.7,1429.44 h98.42 r359
  text "11" at 4536.42,1428.79 h98.42
  text "2" at 987.29,1428.47 h98.42 r1
  text "5" at 2170.27,1426.88 h98.42 r359
  text "17" at 6896.46,1427 h98.42
  text "0" at 209.5,1426.48 h98.42
  text "6" at 2568.89,1426.15 h98.42 r1
  text "7" at 2965.18,1421.07 h98.42
  text "90" at 5520,1360 h60
  text "18cm" at 7200,1355 h98.42 r359
  text "C" at 3502.3,1287.01 h47.24 r1
  text "R" at 415,1195 h30
  text "B" at 3290.82,1160.74 h47.24
  text "135" at 4875,1114.29 h59.05 r359
  text "45" at 6149.41,1109.7 h59.05
  text "E" at 3504.15,989.59 h47.24
  text "C" at 3502.56,836.71 h47.24 r1
  text "B" at 3292.79,711.92 h47.24
  text "E" at 3506.11,540.76 h47.24
  text "0" at 6414.41,539.7 h59.05 r183
  text "英制" at 136.6,511.19 h78.74
  text "180" at 4599.41,504.7 h59.05
  text "0mil" at 133.41,418.01 h98.42
  text "2000" at 2143.97,412.28 h98.42
  text "3000" at 3138.22,412.28 h98.42
  text "5000" at 5141.1,412.28 h98.42
  text "1000" at 1135.09,411.41 h98.42
  text "4000" at 4135.94,408.85 h98.42
  text "7000" at 7147.59,407.28 h98.42
Bottom Layer:
  text "90" at 5571.63,1355 h59.05
  text "100" at 5449.28,1347.09 h59.05
  text "80" at 5732.26,1339.2 h59.05
  text "110" at 5287.87,1311.64 h59.05 r1
  text "70" at 5866.08,1307.77 h59.05 r359
  text "70mil" at 4000,1265 h78.74
  text "120" at 5154.03,1256.6 h59.05 r1
  text "60" at 6023.51,1232.93 h59.05
  text "130" at 5031.98,1173.89 h59.05
  text "50" at 6149.55,1146.3 h59.05
  text "60mil" at 4000.35,1140.83 h78.74
  text "135" at 4964.17,1114.81 h59.05 r1
  text "45" at 6203.79,1099.89 h59.05
  text "140" at 4901.99,1047.88 h59.05 r1
  text "40" at 6247.95,1047.94 h59.05 r1
  text "50mil" at 4000.19,1016.67 h78.74
  text "150" at 4811.53,921.96 h59.05
  text "30" at 6334.63,921.89 h59.05
  text "40mil" at 4001.23,892.5 h78.74
  text "160" at 4752.46,784.17 h59.05
  text "20" at 6401.54,784.15 h59.05
  text "30mil" at 4000.15,768.33 h78.74
  text "20mil" at 4000.69,644.17 h78.74
  text "170" at 4716.98,634.57 h59.05 r1
  text "10" at 6436.94,634.52 h59.05 r1
  text "10mil" at 3997.81,520 h78.74
  text "180" at 4693.37,504.65 h59.05
  text "0" at 6416.7,504.62 h59.05 r357

## Silkscreen, mask and mechanical layers (free items; w line width, h text height)
Top Overlay:
  drawing of 5282 lines, arcs and shapes, not listed
  text "NPN管工作状态" at 3929.56,1263.54 h62.99
  text "知行合一，经世致用" at 6510,1205 h60
  text "Vc > Vb > Ve" at 4039.08,1180.52 h66.93
  text "放大区" at 3688.54,1177.9 h66.93
  text "Vb>Ve、Vb>Vc" at 4039.08,1082.09 h66.93
  text "饱和区" at 3687.96,1079.55 h66.93
  text "肖特基二极管" at 2849.48,1078.83 h78.74
  text "肖特基二极管" at 2849.48,1078.83 h78.74
  text "普通二极管" at 2430.99,1074.76 h78.74
  text "普通二极管" at 2431,1074.76 h78.74
  text "截止区" at 3688.04,981.06 h66.93
  text "Vbe < 0.7V（硅管）" at 4039.07,979.72 h66.93
  text "NPN" at 3294.71,968.34 h78.74
  text "NPN" at 3294.72,968.34 h78.74
  text "PNP管工作状态" at 3923.24,891.54 h62.99
  text "靓仔是我，我就是靓仔！" at 950,830 h150
  text "发光二极管" at 2436.5,822.87 h78.74
  text "发光二极管" at 2436.51,822.87 h78.74
  text "稳压二极管" at 2905.63,819.72 h78.74
  text "稳压二极管" at 2905.64,819.72 h78.74
  text "放大区" at 3688.6,803.81 h66.93
  text "Ve > Vb > Vc" at 4009.06,802.63 h66.93
  text "Vb<Ve、Vb<Vc" at 4009.06,708.15 h66.93
  text "饱和区" at 3687.94,701.67 h66.93
  text "收好我的爱，不许反悔不许离开！" at 805,635 h150
  text "Veb < 0.7（硅管）" at 4005.12,613.55 h66.93
  text "截止区" at 3688.02,611.05 h66.93
  text "好好学习，天天向上" at 6523.31,605 h60
  text "光电二极管" at 2435.37,554.46 h78.74
  text "光电二极管" at 2435.37,554.46 h78.74
  text "变容二极管" at 2883.8,546.92 h78.74
  text "变容二极管" at 2883.81,546.92 h78.74
  text "PNP" at 3294.76,515.53 h78.74
  text "PNP" at 3294.76,515.53 h78.74
  text "\"海内存知己，天涯若比邻\"" at 80,515 h80 r90
  text "Δ I c = β Δ I b" at 4007.06,510.3 h66.93 r359.23
  text "重要公式" at 3662.9,508.89 h66.93
Bottom Overlay:
  text "'Can I keep yu as a  / souvenir?'" at 7025,865 h100
  text "代码无BUG，电路不虚焊； /     手焊BGA，数我最NB。" at 1360,590 h100
  text "'We were all meant to fly. / Spread your wings across the universe. It's your time to fly!'" at 7230,330 h100
  text "——Avril Lavigne" at 5285,325 h100
  text "2020.01.31    ——.cbx" at 900,260 h100
Top Solder:
  drawing of 726 lines, arcs and shapes, not listed
  text "3" at 1381.48,1432.59 h98.42 r358
  text "14" at 5718.99,1432.04 h98.42
  text "8" at 3356.18,1431.15 h98.42 r1
  text "9" at 3746.87,1431.15 h98.42 r1
  text "12" at 4927.99,1430.95 h98.42
  text "13" at 5320.44,1430.95 h98.42 r359
  text "16" at 6499.29,1430.96 h98.42 r359
  text "1" at 600.6,1430.09 h98.42
  text "4" at 1774.15,1429.61 h98.42 r358
  text "15" at 6110.7,1429.77 h98.42
  text "10" at 4142.7,1429.44 h98.42 r359
  text "11" at 4536.42,1428.79 h98.42
  text "2" at 987.29,1428.47 h98.42 r1
  text "5" at 2170.27,1426.88 h98.42 r359
  text "17" at 6896.48,1427.03 h98.42
  text "0" at 209.5,1426.48 h98.42
  text "6" at 2568.89,1426.15 h98.42 r1
  text "7" at 2965.18,1421.07 h98.42
  text "90" at 5520,1360 h60
  text "18cm" at 7200,1355 h98.42 r359
  text "C" at 3502.3,1287.01 h47.24 r1
  text "0402" at 625,1280 h78.74
  text "0201" at 423.31,1276.97 h78.74
  text "0603" at 818.23,1276.97 h78.74
  text "1812" at 1959.96,1276.98 h78.74
  text "0805" at 1045,1275 h78.74
  text "1206" at 1280,1275 h78.74
  text "1210" at 1595,1275 h78.74
  text "R" at 415,1195 h30
  text "B" at 3290.82,1160.74 h47.24
  text "C" at 415,1145 h30
  text "135" at 4875,1115 h59.05 r359
  text "45" at 6150,1110.59 h59.05
  text "L" at 415,1100 h30
  text "E" at 3504.15,989.59 h47.24
  text "C" at 3502.56,836.71 h47.24 r1
  text "B" at 3292.79,711.92 h47.24
  text "E" at 3506.11,540.76 h47.24
  text "0" at 6415,540 h59.05 r183
  text "英制" at 136.6,511.19 h78.74
  text "180" at 4600,505 h59.05
  text "0mil" at 133.44,418.02 h98.42
  text "2000" at 2144,412.29 h98.42
  text "3000" at 3138.25,412.29 h98.42
  text "5000" at 5141.13,412.29 h98.42
  text "1000" at 1135.12,411.42 h98.42
  text "4000" at 4135.93,408.87 h98.42
  text "7000" at 7147.62,407.29 h98.42
Bottom Solder:
  drawing of 212 lines, arcs and shapes, not listed
  text "90" at 5571.63,1355 h59.05
  text "100" at 5449.28,1347.09 h59.05
  text "80" at 5732.26,1339.2 h59.05
  text "110" at 5287.87,1311.64 h59.05 r1
  text "70" at 5866.08,1307.77 h59.05 r359
  text "70mil" at 4000,1265 h78.74
  text "120" at 5154.03,1256.6 h59.05 r1
  text "60" at 6023.51,1232.93 h59.05
  text "130" at 5031.98,1173.89 h59.05
  text "50" at 6149.55,1146.3 h59.05
  text "60mil" at 4000.35,1140.83 h78.74
  text "135" at 4964.17,1114.81 h59.05 r1
  text "45" at 6203.79,1099.89 h59.05
  text "140" at 4901.99,1047.88 h59.05 r1
  text "40" at 6247.95,1047.94 h59.05 r1
  text "50mil" at 4000.19,1016.67 h78.74
  text "150" at 4811.53,921.96 h59.05
  text "30" at 6334.63,921.89 h59.05
  text "40mil" at 4001.23,892.5 h78.74
  text "160" at 4752.46,784.17 h59.05
  text "20" at 6401.54,784.15 h59.05
  text "30mil" at 4000.15,768.33 h78.74
  text "20mil" at 4000.69,644.17 h78.74
  text "170" at 4716.98,634.57 h59.05 r1
  text "10" at 6436.94,634.52 h59.05 r1
  text "10mil" at 3997.81,520 h78.74
  text "180" at 4693.37,504.65 h59.05
  text "0" at 6416.7,504.62 h59.05 r357
Mechanical 15:
  lines w0.1: 4154.29,859.24 4156.29,861.24